# Altium PCB Ixora.PcbDoc (part 5 of 13) (continued)
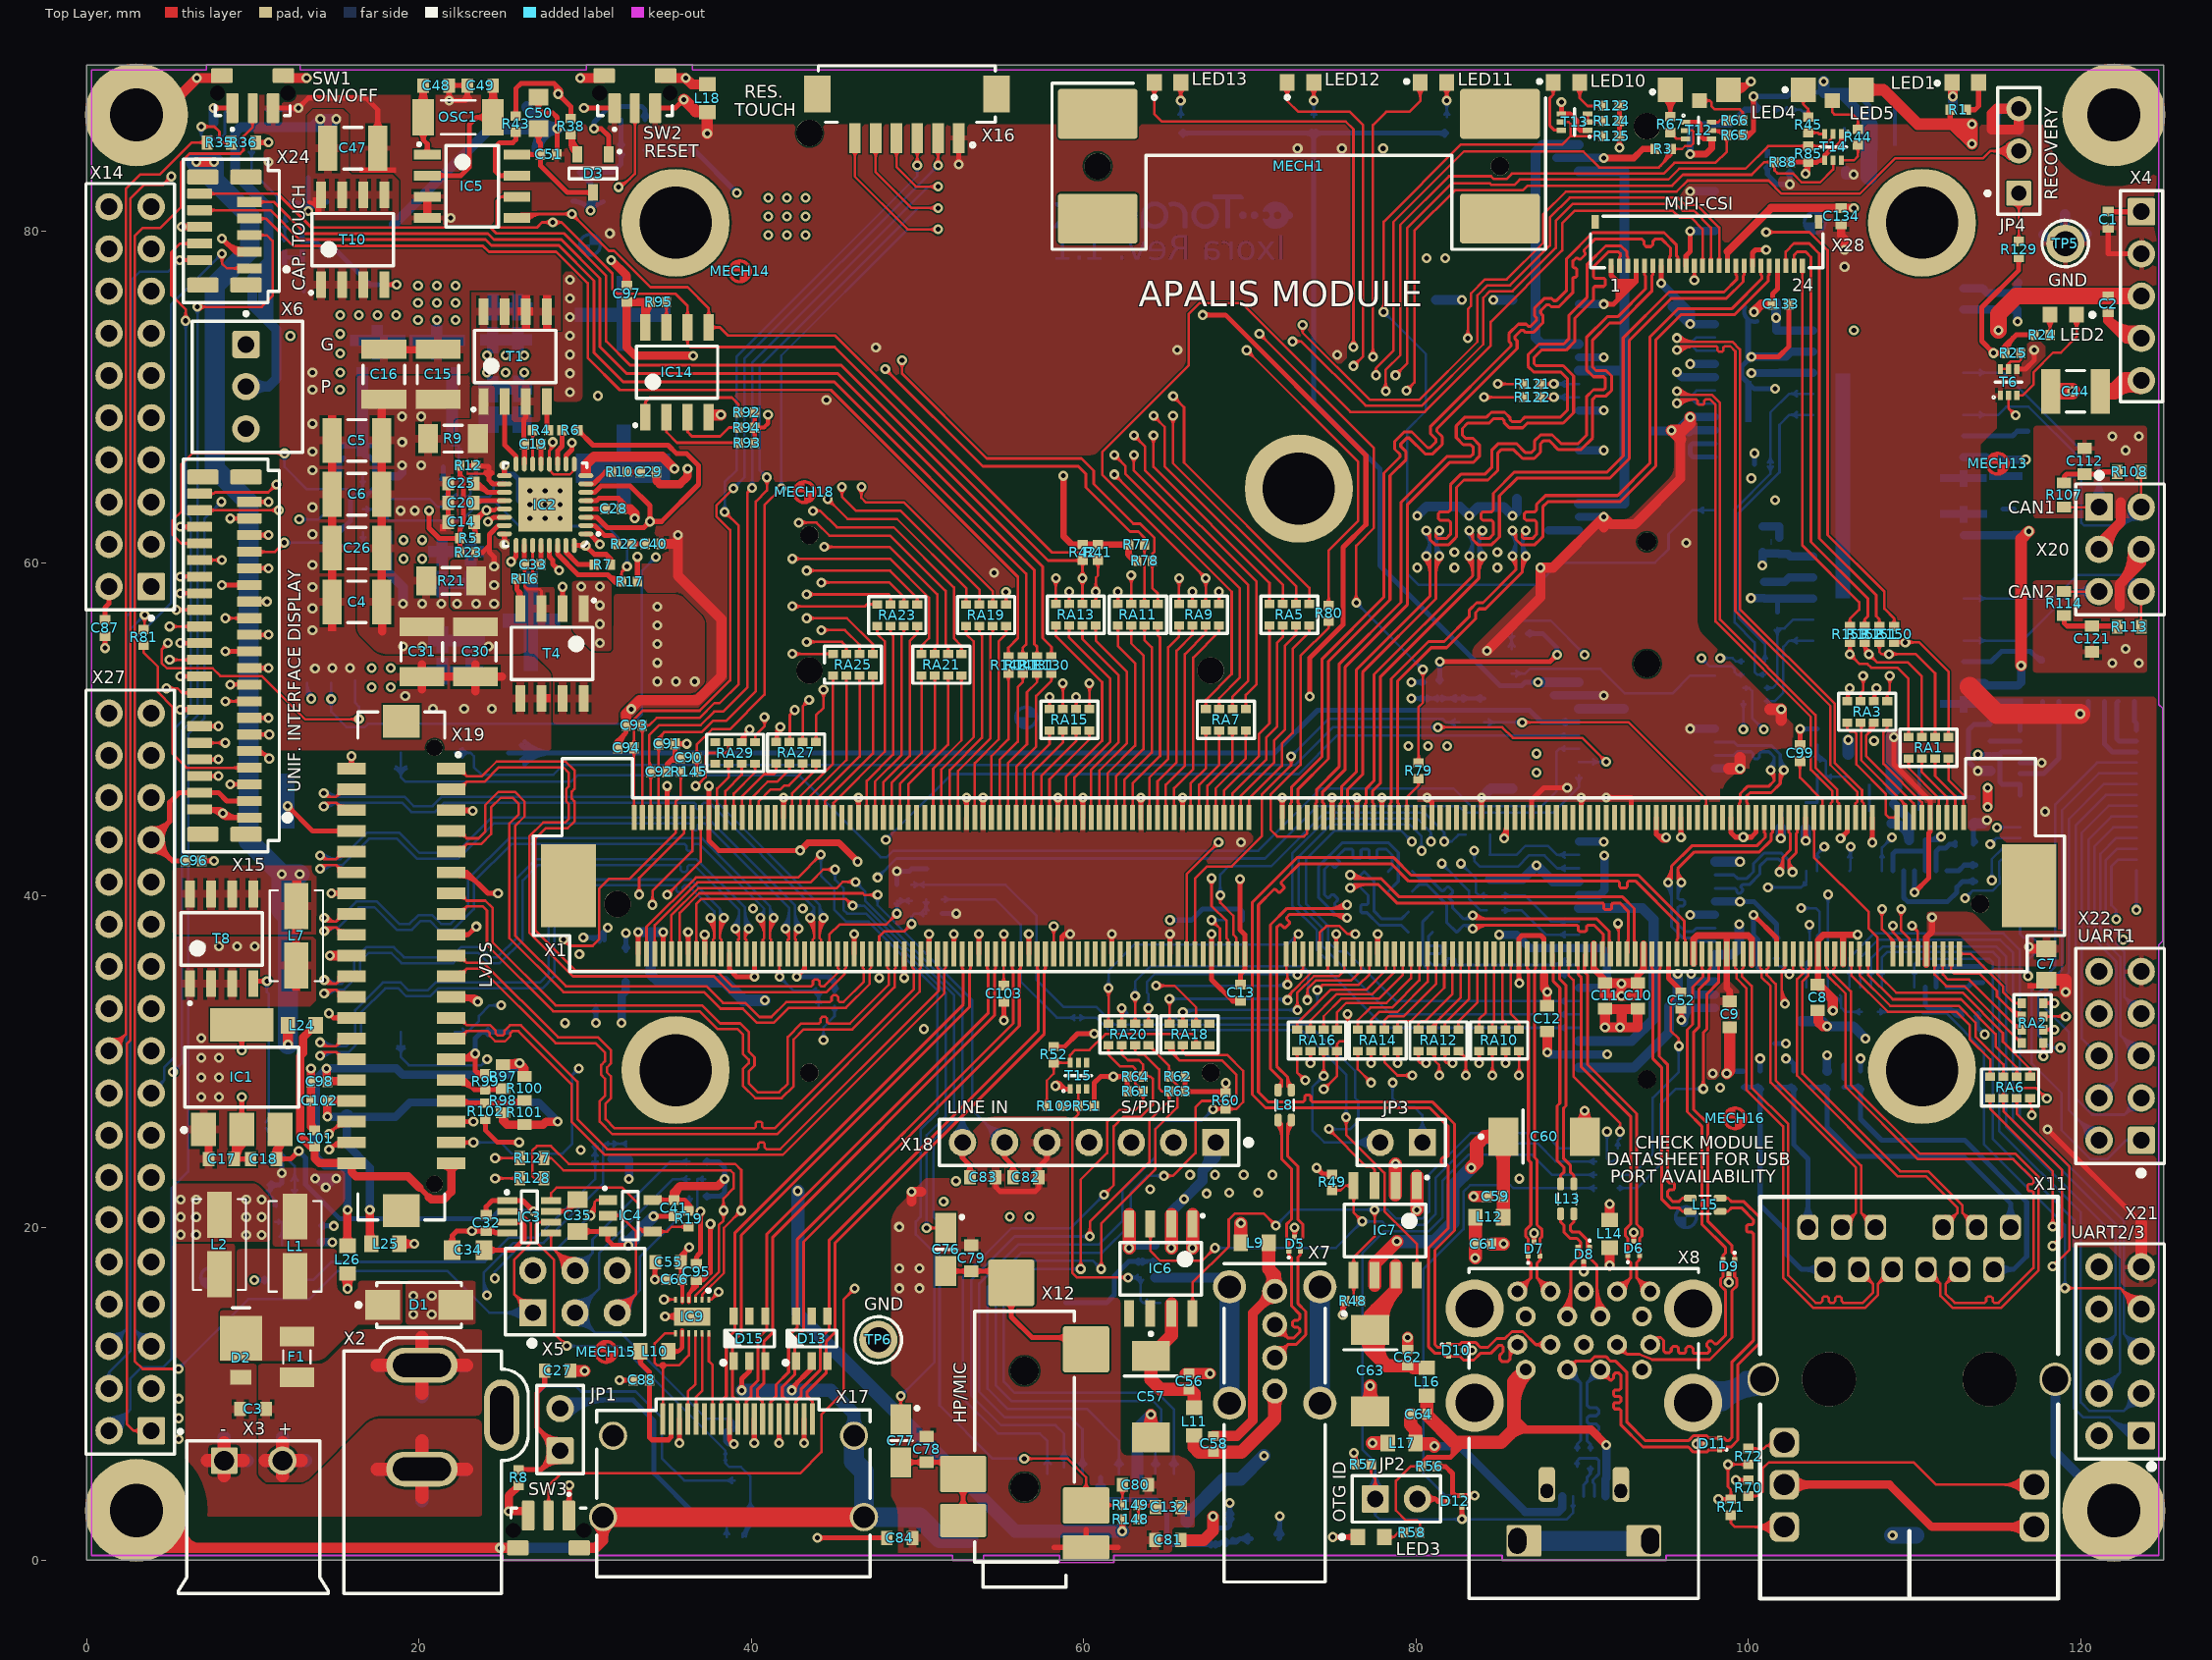
[diagram p0: Top Layer view]
## Nets (pads, with @x,y where several pads share a name; then routed paths per layer and width w, separated by ;. In a path a pad name is that pad's centre, name@x,y a point inside that pad or via, vN(x,y) a via of type N, cw(c..) or ccw(c..) an arc to the next point about the centre after c; other vN are vias at no path point) (continued)
cw(c99.938,87.738) 100.3,87.738 cw(c100.662,87.738) v1@100.406,87.994 ; X28.18@100.25,77.905 100.25,78.685 100.432,78.867 v1(101.067,78.867) ; v1(100.3,88.1) 100.3,86.013 ; v1@101.844,43.556 ccw(c101.588,43.812) 101.95,43.812 ccw(c102.312,43.812) v1@102.056,43.556 ; v1(101.95,43.45) X1.45@101.95,44.7 ; R88.2@102.537,84.15 R85.2@103.6,84.15 ; R88.2@102.633,84.055 cw(c102.863,83.824) 102.863,84.15 cw(c102.863,84.476) R88.2@102.633,84.245 ; v1@103.005,49.924 cw(c102.749,49.668) 103.111,49.668 cw(c103.473,49.668) v1@103.217,49.924 ; C99.1@103.012,49.166 ccw(c102.773,49.405) 103.111,49.405 ccw(c103.449,49.405) C99.1@103.21,49.166 ; C99.1@103.111,49.067 v1(103.111,50.03) ; v1@103.347,83.559 ccw(c102.783,84.15) R85.2@103.6,84.15 ; v1@103.349,43.406 ccw(c103.104,43.65) 103.45,43.65 ; 103.45,43.674 ccw(c103.829,43.674) v1@103.561,43.406 ; X1.39@103.45,44.7 103.45,43.305 v1(103.455,43.3) ; v1(103.45,83.45) 103.6,83.6 R85.2@103.6,84.15 ; R85.2@103.48,84.055 ccw(c103.249,83.824) 103.249,84.15 ccw(c103.249,84.476) R85.2@103.48,84.245 ; R85.2@103.505,84.055 cw(c103.274,83.824) 103.6,83.824 cw(c103.926,83.824) R85.2@103.695,84.055 ; R85.2@103.72,84.245 ccw(c103.999,84.524) 103.999,84.13 ; v1(105.55,43.45) 105.95,43.85 X1.29@105.95,44.7 ; v1@105.55,43.6 ccw(c105.55,43.962) 105.806,43.706 ccw(c106.062,43.45) v1@105.7,43.45 ; T14.1@105.6,85.84 105.6,85.35 105.25,85 105.051,85 104.6,84.549 T14.4@104.6,84.26 104.23,84.26 104.1,84.13 103.62,84.13 R85.2@103.6,84.15 ; v1@107.344,43.306 ccw(c107.088,43.562) 107.45,43.562 ccw(c107.812,43.562) v1@107.556,43.306 ; v1(107.45,43.2) X1.23@107.45,44.7 ; v1(108.762,49.528) 108.762,47.905 110.95,45.717 X1.9@110.95,44.7 110.95,43.861 110.866,43.778 110.866,41.073 v1(109.993,40.2) ; v1@109.993,40.35 ccw(c109.993,40.712) 110.249,40.456 ccw(c110.505,40.2) v1@110.143,40.2 ; T6.4@116.158,71.695 116.678,71.695 117.196,72.212 v1(117.196,72.838) ; v1@117.09,72.731 cw(c116.834,72.475) 117.196,72.475 cw(c117.558,72.475) v1@117.302,72.731 ; v1(118.008,25.933) 123.64,20.302 ; C1.1@121.551,80.086 cw(c121.312,79.847) 121.65,79.847 cw(c121.988,79.847) C1.1@121.749,80.086 ; C1.1@121.65,80.18 121.65,78.62 X4.2@123.65,78.62 ; 7.95,45.2 8.45,44.7 ; 22.012,19.548 22.274,19.81 v1(23.2,19.81) C32.1@24.05,19.81 24.48,19.81 ; v1@23.295,30.391 cw(c23.065,30.15) 23.398,30.15 ; v1@23.295,30.391 cw(c23.065,30.15) 23.398,30.15 ; v1@23.295,30.391 cw(c23.065,30.15) 23.398,30.15 ; 23.398,29.452 23.398,30.15 ; 23.398,30.15 cw(c23.731,30.15) v1@23.501,30.391 ; 23.398,30.15 cw(c23.731,30.15) v1@23.501,30.391 ; 23.398,30.15 cw(c23.731,30.15) v1@23.501,30.391 ; 24.48,19.81 24.6,19.69 ; 36.7,18.178 cw(c36.362,18.178) 36.601,17.939 ccw(c36.362,18.178) 36.7,18.178 ; 36.7,18.178 ccw(c37.038,18.178) 36.799,17.939 cw(c37.038,18.178) 36.7,18.178 ; 58.7,37.542 58.858,37.7 ; 92.151,76.505 92.151,76.962 93.25,76.962 ; v2(21.816,87.846) 22.796,87.846 22.916,87.966 C49.2@22.916,88.76 C48.2@21.816,88.76 v2(21.816,87.846)
  Top Layer w0.4: v1(91.3,84.4) 93.112,84.4 93.65,84.938 R3.2@94.389,84.938 ; v1(96.5,84.633) 97.434,84.633 97.793,84.991 T12.4@97.793,85.504
  Top Layer w0.5: C17.1@8.825,24.296 ccw(c8.413,24.708) 8.996,24.708 ; C17.1@8.996,24.11 cw(c10.36,24.11) IC1.2@9.618,25.255 ; C17.1@8.996,24.15 IC1.2@8.996,25.6 ; 13.51,26.416 ccw(c14.225,26.416) C101.1@13.719,25.911 ; v1(13.51,29.6) C98.1@13.51,28.8 C102.1@13.51,27.65 13.51,26.104 C101.1@13.731,25.883 ; 17.78,55.905 C4.1@17.775,57.68 C26.1@17.775,60.92 C6.1@17.775,64.16 C5.1@17.775,67.4 17.775,69.749 C16.1@17.9,69.874 ; IC5.4@20.508,80.797 IC5.3@20.508,82.067 ; R8.1@26.01,4.498 25.4,3.889 v1(25.4,2.957) SW3.3@26.578,2.957 ; v1(31.572,78.257) 32.512,77.318 C97.1@32.512,76.723 ; C97.1@32.46,76.723 C97.1@32.46,76.862 ; C29.1@34.29,65.5 34.29,64.973 34.488,64.775 35.717,64.775 36.17,65.227 v1(36.17,65.684) ; C134.1@105.588,80.402 105.588,79.731 105.791,79.527 v1(105.791,78.867)
  Top Layer w0.6: v1(14.65,36.4) X19.20@15.95,36.4 ; C28.1@32.195,63.275 32.712,63.275 32.995,62.992 v1(32.995,62.713) ; C93.1@32.47,50.25 32.47,50.954 33.281,51.765 36.747,51.765 38.202,53.22 38.202,56.642 35.581,59.262 v1(35.581,61.7) ; C40.1@34.62,61.167 35.578,61.167 ; v1(84.277,54.737) 87.494,57.954 v1(87.494,59.741) 88.241,59.741 v1(91.3,62.8) ; v1(87.898,30.582) C12.2@87.898,31.805 ; C60.2@89.762,26.207 ccw(c89.049,27.047) v1(90.15,27.047) ; C60.2@90.15,25.5 v1(90.15,27.047) ; C60.2@90.538,26.207 cw(c91.251,27.047) v1(90.15,27.047) ; 91.3,62.14 v1(91.3,62.8) ; C11.2@91.375,33.201 v1(91.375,32.084) v1(92.278,32.084) v1@92.38,32.084 ; C11.2@91.502,33.176 C10.2@93.344,33.176 ; L14.1@91.65,20.49 v1(91.65,21.444) ; 92.38,33.172 v1@92.38,32.084 ; C10.2@93.344,32.922 93.344,32.084 v1@92.38,32.084 ; 95.91,67.471 95.91,65.1 93.167,62.357 91.743,62.357 v1(91.3,62.8) ; C8.2@104.2,33.1 104.2,32.427 104.489,32.138 v1(104.736,32.138) ; LED1.1@112.255,88.95 112.304,88.901 v1(112.304,88.1) ; C2.2@121.65,75.09 121.65,74.625 ; 122.44,73.835 ccw(c123.396,74.791) X4.4@123.665,73.467 ; X4.4@123.197,73.275 ccw(c122.735,73.005) 122.735,73.54 ; X4.4@123.197,73.805 cw(c122.735,74.075) 122.735,73.54 ; X4.4@123.545,74.054 cw(c123.129,76.103) 121.65,74.625 ; X4.4@123.65,73.54 122.735,73.54 ; 121.65,74.625 122.735,73.54 ; 114.65,86.106 116.271,86.106 JP4.3@116.271,87.357 114.941,87.357 114.65,87.066 114.65,86.106
  Top Layer w0.67: IC14.4@37.49,68.936 v1(38.176,68.936)
  Top Layer w0.7: C27.1@29.121,11.405 v1(29.977,11.405) ; v1(35.946,87.912) 36.658,87.2 L18.1@37.3,87.2 ; v1(37.35,85.865) L18.1@37.35,87.15 ; C57.2@63.661,7.789 ccw(c62.722,8.728) 64.05,8.728 ccw(c65.378,8.728) C57.2@64.439,7.789 ; C57.2@64.05,7.4 v1(64.05,8.763) ; C81.1@65.85,1.219 67.234,1.219 67.793,1.778 v1(67.793,2.642) ; C56.1@66.142,11.24 v1(67.6,11.24) ; C62.1@79.5,12.58 C62.1@79.5,12.69 v1(79.5,13.4) ; v1(83.479,21.9) C59.1@84.27,21.9 C59.1@84.335,21.9 ; 95.91,67.471 v1(95.382,68) 96.042,68 96.5,68.458 v1(96.5,68.8) ; v1(98.7,29.3) 98.878,29.478 C9.2@98.878,32.08 ; 98.84,47.65 v1(99.5,47.65) 99.5,48.31 ; 101.32,51.224 v1(101.98,51.224) 101.98,50.564 ; C7.2@118.171,34.95 119.101,34.95 v1(119.101,34.214) ; X21.9@123.64,17.66 123.64,20.302
  Top Layer w0.8: v1(62.745,18.8) IC6.4@62.745,20.25 IC6.4@62.745,20.8 ; v1(66.555,18.8) IC6.1@66.555,20.25 IC6.1@66.555,20.8 ; L9.1@69.46,19.1 v1(69.46,20.291) ; C63.2@76.896,9.328 ccw(c76.043,10.181) 77.25,10.181 ccw(c78.457,10.181) C63.2@77.604,9.328 ; C63.2@77.25,8.974 v1(77.25,10.5) ; v1(77.38,7.058) L17.1@78.283,7.058 ; v1(80.055,21.1) IC7.1@80.055,22.55 IC7.1@80.055,23.1
  Top Layer w1: C44.1@118.183,70.35 v1(119.495,70.35)
  Top Layer w1.2: 113.322,52.565 114.949,50.938 v1(119.969,50.938)
  Mid-Layer 2 w0.7: v1(91.375,32.084) v1(92.278,32.084)
  Mid-Layer 1 w0.5: v1@104.736,32.098 v1@104.775,32.138
  Mid-Layer 1 w0.6: v1(102.25,30.2) v1(102.25,31.1)
  Mid-Layer 1 w0.7: v1(91.375,32.084) v1(92.278,32.084)
  Bottom Layer w0.15: 36.75,21.302 ccw(c37.252,21.302) v1@36.897,20.947 ; 36.75,22.948 36.75,21.2 v1(36.95,21) ; R13.1@37.075,22.807 ccw(c36.754,22.514) 36.754,22.948 ; R13.1@37.075,23.09 cw(c36.754,23.383) 36.754,22.948 ; R13.1@37.23,22.948 36.754,22.948
  Bottom Layer w0.254: 99.797,75.438 ccw(c100.381,75.184) 100.542,74.568
  Bottom Layer w0.3: v1(10.1,16.87) T9.2@10.825,16.87 ; v1@10.206,16.764 cw(c10.462,16.508) 10.462,16.87 ; v1@10.206,16.976 ccw(c10.462,17.232) 10.462,16.87 ; T9.2@10.719,16.764 ccw(c10.463,16.508) 10.463,16.87 ; T9.2@10.719,16.976 cw(c10.463,17.232) 10.463,16.87 ; T11.2@10.881,87.308 12.658,87.308 v1(12.749,87.4) ; T11.2@10.987,87.202 cw(c11.244,86.946) 11.244,87.308 cw(c11.244,87.671) T11.2@10.987,87.414 ; 12.166,87.308 ccw(c12.166,87.983) v1@12.643,87.506 ; C65.1@14.1,20.14 14.875,20.14 v1(14.89,20.126) ; C65.1@14.239,20.041 cw(c14.478,19.802) 14.478,20.14 cw(c14.478,20.478) C65.1@14.239,20.239 ; 14.493,20.14 cw(c14.493,19.729) v1@14.783,20.02 ; 14.562,20.14 ccw(c14.562,20.454) v1@14.783,20.232 ; v1(23.398,30.5) 23.398,31.424 23.774,31.8 X26.5@25.4,31.8 ; X26.5@24.165,31.631 ccw(c23.963,31.595) 23.963,31.8 ccw(c23.963,32.005) X26.5@24.165,31.969 ; v1@25.044,65.787 cw(c24.841,65.584) 25.128,65.584 ; T7.1@25.128,65.478 cw(c25.565,65.478) v1@25.256,65.787 ; T7.1@25.15,65.401 v1(25.15,65.893) 25.174,65.869 v1@25.174,65.925 ; T7.1@25.25,65.372 25.687,65.372 25.984,65.075 25.984,63.805 26.224,63.565 26.66,63.565 v2(26.682,63.543) ; 26.267,63.565 cw(c26.267,63.128) v2@26.576,63.437 ; 26.373,63.565 ccw(c26.373,63.852) v2@26.576,63.649 ; v1(29.9,37.49) L21.2@30.78,37.49 ; v1@30.006,37.384 cw(c30.262,37.128) 30.262,37.49 ; v1@30.006,37.596 ccw(c30.262,37.852) 30.262,37.49 ; L21.2@30.518,37.384 ccw(c30.262,37.128) 30.262,37.49 ; v1@30.544,32.456 ccw(c30.288,32.712) 30.65,32.712 ccw(c31.012,32.712) v1@30.756,32.456 ; C86.1@30.544,33.073 cw(c30.288,32.817) 30.65,32.817 cw(c31.012,32.817) C86.1@30.756,33.073 ; v1(30.65,32.35) C86.1@30.65,33.35 ; L21.2@30.874,37.258 cw(c31.329,37.375) 30.997,37.707 ; L21.2@30.9,37.49 L21.2@30.78,37.49 ; L21.2@31.165,37.332 cw(c31.921,37.527) v1(31.369,38.079) L21.2@30.78,37.49 ; T3.1@38.45,7.793 38.45,7.178 38.625,7.003 v1@38.95,7.003 ; v1(42.743,35.122) 44.608,35.122 45.023,34.707 ; 44.761,35.122 45.023,34.86 45.023,34.707 ; C89.1@44.924,34.406 ccw(c44.685,34.645) 45.023,34.645 ccw(c45.361,34.645) C89.1@45.122,34.406 ; C89.1@45.023,34.267 45.023,34.707 ; v1@48.664,41.363 cw(c48.408,41.107) 48.77,41.107 cw(c49.132,41.107) 48.876,41.363 cw(c49.132,41.107) 49.132,41.469 cw(c49.132,41.831) v1@48.876,41.575 ; C53.1@48.77,40.665 v1(48.77,41.469) 49.519,41.469 49.665,41.615 R2.1@50.55,41.615 ; C54.1@51.49,38.92 v1(52.329,38.92) ; v1@52.223,38.814 ccw(c51.967,38.558) 51.967,38.92 ccw(c51.967,39.282) v1@52.223,39.026 ; C67.1@67.8,1.942 C67.1@67.798,1.94 68.64,1.94 68.798,2.098 C68.1@68.798,2.637 68.798,3.448 v1(68.8,3.45) ; C68.1@68.657,2.496 cw(c68.315,2.154) 68.798,2.154 cw(c69.281,2.154) C68.1@68.939,2.496 ; C68.1@68.657,2.778 ccw(c68.315,3.12) 68.798,3.12 ccw(c69.281,3.12) C68.1@68.939,2.778 ; v1@68.694,3.344 cw(c68.443,3.093) 68.798,3.093 ; 68.798,3.083 cw(c69.167,3.083) v1@68.906,3.344 ; v1(79.714,52.845) C100.1@80.514,52.845 ; v1@79.82,52.739 cw(c80.077,52.483) 80.077,52.845 cw(c80.077,53.207) v1@79.82,52.951 ; C100.1@80.375,52.746 ccw(c80.136,52.507) 80.136,52.845 ccw(c80.136,53.183) C100.1@80.375,52.944 ; v1(82.757,75.85) v1@82.783,75.85 ; v1(99.5,39.65) 100.329,39.65 101.691,38.288 C69.1@101.691,37.365 ; v1@99.606,39.544 cw(c99.862,39.288) 99.862,39.65 cw(c99.862,40.012) v1@99.606,39.756 ; v1(100.18,72.435) 99.605,71.86 99.605,71.252 100.357,70.5 v1(101.6,70.5) ; v1@100.406,87.994 cw(c100.662,87.738) 100.662,88.1 cw(c100.662,88.462) v1@100.406,88.206 ; R133.1@100.536,87.301 100.3,87.537 v1(100.3,88.1) ; R133.1@100.62,87.432 cw(c101.157,88.1) v1(100.3,88.1) ; C71.1@100.707,29.45 v1(100.707,30.2) ; C138.1@101.051,83.811 cw(c100.812,83.572) 101.15,83.572 cw(c101.488,83.572) C138.1@101.249,83.811 ; C138.1@101.15,83.9 101.15,83.406 101.743,82.813 v1(102.5,82.813) C140.1@102.5,83.625 ; C73.1@101.573,31.1 v1(102.25,31.1) ; C69.1@101.592,37.464 ccw(c101.353,37.703) 101.691,37.703 ccw(c102.029,37.703) C69.1@101.79,37.464 ; v1@102.272,30.052 cw(c102.35,29.532) 102.721,29.903 ; v1@102.278,30.211 102.414,30.211 102.721,29.903 ; C140.1@102.359,83.484 cw(c102.017,83.142) 102.5,83.142 cw(c102.983,83.142) C140.1@102.641,83.484 ; v1@102.394,82.919 ccw(c102.138,83.175) 102.5,83.175 ccw(c102.862,83.175) v1@102.606,82.919 ; C70.1@102.721,29.44 102.721,29.903 ; v1@103.217,49.924 cw(c103.473,49.668) 103.473,50.03 cw(c103.473,50.392) v1@103.217,50.136 ; v1@103.289,50.03 R144.1@104.15,50.03 ; IC16.8@104.525,88.305 104.48,88.35 102.599,88.35 102.349,88.1 v1(100.3,88.1) ; IC16.9@106.487,88.305 107.275,87.517 107.275,86.567 IC16.9@107.275,86.4 ; v1@106.644,30.094 cw(c106.388,29.838) 106.75,29.838 cw(c107.112,29.838) v1@106.856,30.094 ; C74.1@106.75,29.45 v1(106.75,30.2) ; IC17.9@108.762,45.521 IC17.9@108.762,46.535 ; v1@109.887,40.306 ccw(c109.631,40.562) 109.993,40.562 ccw(c110.355,40.562) v1@110.099,40.306 ; v1(109.993,40.2) IC12.25@109.993,41.5 ; C144.1@113.409,44.209 cw(c113.067,43.867) 113.55,43.867 cw(c114.033,43.867) C144.1@113.691,44.209 ; C124.1@113.55,43.1 C144.1@113.55,44.35 ; 113.55,43.565 ccw(c114.011,43.565) C124.1@113.685,43.239 ; C123.2@113.691,32.761 cw(c113.452,32.522) 113.79,32.522 cw(c114.128,32.522) C123.2@113.889,32.761 ; C123.2@113.79,32.9 113.79,32.082 v1(114.224,31.648) ; v1(113.8,47.51) 113.25,48.06 113.25,49.979 113.586,50.315 C129.1@114.545,50.315 C129.1@114.44,50.42 ; v1@114.074,31.648 ccw(c113.712,31.648) 113.968,31.904 ccw(c114.224,32.161) v1@114.224,31.798 ; IC13.25@116.35,48.004 v1(117.65,48.004) ; v1@117.544,47.898 ccw(c117.288,47.642) 117.288,48.004 ccw(c117.288,48.366) v1@117.544,48.11 ; v1(119.969,50.938) 120.305,50.938 120.46,51.093 C128.2@120.46,51.7 ; 23.398,30.862 ccw(c23.76,30.862) 23.504,30.606 cw(c23.76,30.862) 23.398,30.862 ; 23.398,30.862 cw(c23.036,30.862) 23.292,30.606 ccw(c23.036,30.862) 23.398,30.862 ; 68.176,1.94 ccw(c68.176,1.602) 67.937,1.841 cw(c68.176,1.602) 68.176,1.94 ; 68.176,1.94 cw(c68.176,2.278) 67.937,2.039 ccw(c68.176,2.278) 68.176,1.94
  Bottom Layer w0.4: v1(96.5,84.633) 96.5,86.253 96.658,86.411 98.908,86.411 99.798,87.301 R133.1@100.536,87.301
  Bottom Layer w0.5: R87.1@18.075,65.227 18.771,65.227 18.999,65.455 v1(18.999,65.893) ; C22.1@24.454,73.47 C23.1@25.976,73.47 ; C21.1@24.46,70.515 C24.1@25.982,70.515 ; C45.1@31.581,24.149 32.61,24.149 R147.1@32.644,24.115 v1@32.644,22.975 ; v1(62.745,18.8) 62.885,18.94 R110.1@64.304,18.94 ; v1@62.78,18.765 cw(c63.204,18.341) 63.204,18.94 ; v1(85,37.65) 86.05,37.65 86.85,36.85 91.141,36.85 91.491,36.5 91.491,34.798 91.143,34.45 X25.40@89.8,34.45 ; v1(87.898,30.582) 88.03,30.45 X25.50@89.8,30.45 v1@91.476,30.45 ; v1@87.934,30.617 ccw(c88.337,31.02) 88.337,30.45 ; 88.3,52.05 X25.4@89.8,52.05 ; 88.443,84.4 v1(91.3,84.4) ; X25.26@89.8,40.05 91.062,40.05 91.336,40.324 v1(91.336,42.412) ; X25.18@89.8,43.25 v1(91.3,43.25) ; X25.4@89.8,52.05 v1(91.3,52.05) ; X23.50@89.8,62.8 v1(91.3,62.8) ; X23.40@89.8,66.8 v1(91.3,66.8) ; X23.34@89.8,69.2 v1(91.3,69.2) ; X23.26@89.8,72.4 v1(91.3,72.4) ; X23.18@89.8,75.6 v1(91.3,75.6) ; v1(94.75,76.868) 96.5,75.118 ; v1(95.382,68) 95.7,68 ; v1(95.7,71.505) 96.005,71.2 X23.29@98,71.2 ; v1@96.073,32.35 96.073,32.826 96.497,33.25 X25.43@98,33.25 ; v1@96.123,32.35 cw(c97.392,32.35) 96.495,33.248 ; v1(96.5,38.85) X25.29@98,38.85 ; v1(96.5,50.05) X25.9@98,50.05 ; v1(96.5,72) X23.27@98,72 ; v1(96.5,74.4) X23.21@98,74.4 ; v1(96.5,80) X23.15@98,80 ; v1@96.5,82.4 X23.9@98,82.4 ; X25.27@98,39.65 v1(99.5,39.65) ; X25.15@98,47.65 v1(99.5,47.65) ; X23.37@98,68 96.418,68 95.7,68 ; X23.35@98,68.8 v1(96.5,68.8) 95.7,68 ; v1(100.18,72.435) C109.1@100.971,72.435 C108.1@101.875,72.435 102.263,72.435 102.578,72.75 IC10.7@103.895,72.75 ; C113.1@100.85,62.225 101.85,62.225 C114.1@101.85,61.565 C114.1@101.85,61.54 ; C118.1@100.95,58.89 C117.1@101.75,58.89 102.19,58.89 102.46,59.16 IC11.7@103.9,59.16 ; C75.1@104.736,29.44 v1(104.736,30.404)
  Bottom Layer w0.6: R37.2@7.65,86.535 v1(7.65,87.399) ; R84.2@18.101,61.874 18.101,59.522 19.052,58.57 v1(19.052,57.575) ; BAT1.2@18.491,80.391 BAT1.2@21.5,83.4 BAT1.2@24.257,86.157 ; v1(80.072,62.865) 80.631,63.424 82.645,63.424 v1(83.204,62.865) 83.737,63.398 85.275,63.398 v1(85.809,62.865) 86.081,63.137 86.081,63.881 ; C141.1@81.197,75.85 v1(82.757,75.85) ; v1(83.95,45.9) 84.5,46.45 C147.1@85.8,46.45 ; v1(84.646,75.85) C142.1@85.8,75.85 ; 95.439,75.461 v1(96.5,74.4) 96.5,75.118 ; 96.5,68.082 v1(96.5,68.8) ; X25.37@98,35.65 X25.35@98,36.45 99.045,36.45 99.45,36.855 v1@99.45,38.2 ; X25.21@98,42.05 v1(99.5,42.05) ; v1(101.95,43.45) C143.1@101.95,44.11 ; C72.2@103.176,32.45 104.423,32.45 v1(104.736,32.138) 106.312,32.138 v1(107.05,31.4) ; v1(103.455,43.3) C145.1@103.455,44.056 ; IC16.8@104.525,88.305 IC16.8@105.537,88.305 ; 105.875,83.625 105.875,83.402 ; v1(106.331,83.402) 105.875,83.402 ; IC16.9@106.487,88.305 IC16.8@105.537,88.305 ; IC16.9@107.293,86.4 107.293,86.549 107.275,86.567 IC16.8@105.537,88.305 ; IC17.9@108.61,44.348 cw(c108.644,43.316) C122.1@109.677,43.35 109.677,44.607 IC17.9@108.762,45.521 ; C139.1@112.304,87.315 v1(112.304,88.1) ; C144.1@113.55,44.35 114.155,44.35 v1(114.355,44.55) ; C144.1@113.643,44.397 ccw(c113.88,45.025) v1(114.355,44.55) ; v1(113.8,47.51) C127.1@114.57,47.51 ; C144.1@113.872,44.35 ccw(c113.872,45.033) v1(114.355,44.55) ; 114.859,86.106 114.859,87.071 115.145,87.357 JP4.3@116.271,87.357 116.271,86.058 ; 117.754,79.781 118.288,79.248 TP5.1@119.05,79.248 ; 119.05,81.026 TP5.1@119.05,79.248 ; 120.371,79.832 119.786,79.248 TP5.1@119.075,79.248 TP5.1@119.05,79.248 ; 105.875,83.402 105.875,83.38 105.854,83.402 105.875,83.402
  Bottom Layer w0.7: BAT1.2@24.257,86.157 v1(28.321,86.157) ; BAT1.2@26.507,87.466 ccw(c28.765,88.684) v1(28.321,86.157) ; BAT1.2@27.123,84.81 cw(c28.435,84.849) v1(28.321,86.157) ; 32.341,19.209 v1(32.6,18.949) 32.994,19.343 32.994,19.559 ; v1@32.6,19.165 32.994,19.559 ; v1(34.125,20.7) 34.125,20.69 32.994,19.559 ; X10.6@63.23,5 63.23,7.943 v1(64.05,8.763) ; 96.418,68 96.5,68.082 ; IC16.8@104.525,88.4 v1(104.525,89) ; IC17.8@106.012,48.525 v1(106.012,49.375)
  Bottom Layer w1: 107.264,83.261 IC16.9@107.293,86.4 ; v1(108.682,1.5) L3.1@110.1,1.5 ; IC17.9@108.762,46.535 v1(108.762,49.528)
  other v1: 9.61,19.59 10.55,19.59 5.66,19.6 6.6,19.6 5.66,20.66 6.6,20.66 9.61,20.66 10.55,20.66 5.66,21.72 6.6,21.72 9.61,21.72 10.55,21.72 32.644,22.95 29.743,24.689 98.3,28.45 91.502,30.45 28.804,32.334 99.45,38.276 40.104,39.218 43.104,39.218 69.469,43.205 8.2,44.95 117.856,45.06 79.553,49 32.791,51.232 19.052,55 20.204,55 24.2,55 20.204,57.575 21.355,57.575 54.61,59.436 80.072,59.741 82.309,59.741 84.901,59.741 82.309,60.681 84.901,60.681 96.266,61.239 18.9,63.172 19.756,63.172 101.6,63.8 100.178,65.116 20.15,65.893 19,67.3 18.999,68.842 20.15,68.842 44.526,69.825 30.785,70.079 24.095,71.475 25.223,71.475 26.351,71.475 24.095,72.525 25.223,72.525 26.351,72.525 75.268,72.542 65.642,72.847 47.506,73 12.268,73.685 105.791,77.851 31.496,79.858 96.5,82.375 10.958,84.15 72.881,84.97 75.54,84.97 78.021,84.97
  other v2: 26.682,62.714 27.6,62.714 28.51,62.714 27.596,63.543 28.51,63.543 26.682,64.372 27.6,64.372 28.51,64.372 21.92,80.797
GND_IN: C3.1 D1.2 D2.2 L2.1 X2.2 X3.1 | length 39.7
  Top Layer w0.8: 7.27,6 X3.1@8.288,6 ; 8.288,5.105 X3.1@8.288,6 ; 8.288,7.087 X3.1@8.288,6 ; 9.429,6 X3.1@8.288,6 ; 17.51,5.49 X2.2@20.185,5.49 ; 20.185,3.8 X2.2@20.185,5.49 ; 20.185,7.18 X2.2@20.185,5.49 ; 22.86,5.49 X2.2@20.185,5.49
  Mid-Layer 1 w0.8: 7.264,6 X3.1@8.288,6 ; 8.288,4.773 X3.1@8.288,6 ; 8.288,7.319 X3.1@8.288,6 ; 9.652,6.045 9.607,6 X3.1@8.288,6 ; 17.485,5.49 X2.2@20.185,5.49 ; 20.185,3.732 X2.2@20.185,5.49 ; 20.185,6.704 X2.2@20.185,5.49 ; 22.885,5.49 X2.2@20.185,5.49
  Bottom Layer w0.8: 7.264,6 X3.1@8.288,6 ; 8.288,5.105 X3.1@8.288,6 ; 8.288,7.389 X3.1@8.288,6 ; 9.677,6 X3.1@8.288,6 ; 17.522,5.49 X2.2@20.185,5.49 ; 20.185,3.589 X2.2@20.185,5.49 ; 20.185,7.104 X2.2@20.185,5.49 ; 22.856,5.49 X2.2@20.185,5.49
  other v1: 19.66,14.808 20.777,14.808 19.66,15.926 20.777,15.926
GND_USBH2: C58.1 L9.2 X7.4 | length 18.4
  Top Layer w0.6: C58.1@67.793,7.49 C58.1@67.821,7.49 69.237,7.49 70.18,8.433 70.18,14.87 X7.4@71.5,16.19 ; X7.4@71.05,16.19 cw(c69.964,16.19) 70.732,15.422 cw(c71.5,14.654) X7.4@71.5,15.74
  Top Layer w0.8: L9.2@71.14,19.1 71.14,17.535 ; X7.4@71.22,16.4 ccw(c70.527,16.921) 71.14,17.535 ; X7.4@71.252,16.437 ccw(c70.655,17.035) 71.5,17.035 ccw(c72.345,17.035) X7.4@71.747,16.437 ; X7.4@71.5,16.19 71.5,17.175 71.14,17.535
GND_USBH4: C61.1 L14.2 X8.U4 X8.U7 | length 14.4
  Top Layer w0.6: v1(91.65,17.74) L14.2@91.65,18.746
  Top Layer w0.8: C61.1@84.55,19.05 v1(85.27,19.05)
  Mid-Layer 1 w0.6: X8.U7@90.1,16.18 X8.U7@90.1,16.19 ; 93.1,17.263 93.1,15.18 X8.U4@93.6,14.68
  Mid-Layer 1 w0.8: v1(85.27,19.05) 85.97,18.35 87.93,18.35 X8.U7@90.1,16.18 ; X8.U7@90.1,16.19 v1(91.65,17.74) 92.623,17.74 93.1,17.263
GND_USBO1: C64.1 L17.2 X8.L4 X8.L7 X9.5 | length 36.1
  Top Layer w0.8: C64.1@79.67,8.8 79.67,8.154 79.979,7.845 L17.2@79.979,7.058 ; L17.2@80.03,7.021 80.959,7.021 v1(81.1,6.88)
  Mid-Layer 1 w0.3: 87.782,8.992 ccw(c87.935,11.201) 90.1,10.734
  Mid-Layer 1 w0.5: X8.L7@89.853,12.733 cw(c89.255,12.135) 90.1,12.135 cw(c90.945,12.135) X8.L7@90.347,12.733 ; 90.1,9.836 90.1,10.734 X8.L7@90.1,12.98 ; 90.119,10.49 90.773,9.836
  Mid-Layer 1 w0.8: v1(81.1,6.88) 85.493,6.88 87.376,8.763 89.027,8.763 90.1,9.836 90.773,9.836 91.956,9.836 X8.L4@93.6,11.48
  Bottom Layer w0.5: v1(81.1,6.88) 82.611,6.88 86.569,2.922 88.575,2.922 88.8,3.147 X9.5@88.8,3.85
GPIO1: R150.2 RA1.8 X27.13 | length 159.1
  Top Layer w0.15: R150.2@108.776,55.245 v1(109.449,55.245) 110.287,55.245 112.039,53.493 RA1.8@112.039,49.555 ; v1@109.29,55.086 ccw(c108.905,54.702) 108.905,55.245 ccw(c108.905,55.788) v1@109.29,55.404 ; v1@109.608,55.086 cw(c109.992,54.702) 109.992,55.245 cw(c109.992,55.788) v1@109.608,55.404 ; RA1.8@111.915,49.679 ccw(c111.617,49.978) 112.039,49.978 ccw(c112.462,49.978) RA1.8@112.163,49.679 ; 109.132,55.184 ccw(c109.094,55.044) 108.974,55.126 cw(c109.094,55.044) 109.132,55.184 ; 109.132,55.184 cw(c109.181,55.367) 109.001,55.309 ccw(c109.181,55.367) 109.132,55.184 ; 109.132,55.306 ccw(c109.181,55.123) 109.001,55.181 cw(c109.181,55.123) 109.132,55.306 ; 109.132,55.306 cw(c109.094,55.446) 108.974,55.364 ccw(c109.094,55.446) 109.132,55.306 ; v1@109.308,55.245 ccw(c109.308,54.738) 108.949,55.097 cw(c109.308,54.738) v1@109.308,55.245 ; v1@109.308,55.245 cw(c109.308,55.752) 108.949,55.393 ccw(c109.308,55.752) v1@109.308,55.245
  Mid-Layer 2 w0.15: v1(64,22.335) 64.802,22.335 66.66,24.193 66.66,30.135 69.173,32.648 69.173,39.76 72.593,43.18 72.593,46.743 73.848,47.998 82.128,47.998 83.25,49.119 83.25,55.208 85.342,57.3 106.632,57.3 108.687,55.245 v1(109.449,55.245) ; v1@64.159,22.176 cw(c64.543,21.792) 64.543,22.335 cw(c64.543,22.878) v1@64.159,22.494 ; v1@109.29,55.086 ccw(c108.905,54.702) 108.905,55.245 ccw(c108.905,55.788) v1@109.29,55.404
  Mid-Layer 1 w0.15: X27.13@3.9,23.04 6.653,23.04 7.418,22.275 13.275,22.275 13.884,21.666 21.666,21.666 22.225,22.225 25.047,22.225 25.891,23.069 30.74,23.069 31.638,23.968 52.639,23.968 53.315,23.292 62.078,23.292 63.034,22.335 v1(64,22.335) ; X27.13@4.218,22.722 cw(c4.986,21.954) 4.986,23.04 cw(c4.986,24.126) X27.13@4.218,23.358 ; X27.13@4.324,22.616 cw(c5.349,21.591) 5.349,23.04 cw(c5.349,24.489) X27.13@4.324,23.464 ; X27.13@4.43,22.51 cw(c5.711,21.229) 5.711,23.04 cw(c5.711,24.851) X27.13@4.43,23.57 ; v1@63.841,22.176 ccw(c63.457,21.792) 63.457,22.335 ccw(c63.457,22.878) v1@63.841,22.494
GPIO2: R151.2 RA1.7 X27.14 | length 163.7
  Top Layer w0.15: R151.2@107.887,55.245 107.887,54.673 108.026,54.534 ; v1@108.289,54.401 ccw(c108.026,54.207) 108.026,54.534 ; v1@108.289,54.667 cw(c108.026,54.861) 108.026,54.534 ; v1@108.63,54.375 cw(c109.014,53.991) 109.014,54.534 cw(c109.014,55.077) v1@108.63,54.693 ; RA1.7@111.115,49.679 ccw(c110.817,49.978) 111.239,49.978 ccw(c111.662,49.978) RA1.7@111.363,49.679 ; RA1.7@111.239,49.555 111.239,53.378 110.084,54.534 v1(108.471,54.534) 108.026,54.534 ; 107.887,54.738 ccw(c107.38,54.738) 107.738,55.097 cw(c107.38,54.738) 107.887,54.738 ; 107.887,54.738 cw(c108.394,54.738) 108.035,55.097 ccw(c108.394,54.738) 107.887,54.738
  Mid-Layer 2 w0.15: v1(66.41,23.203) 66.91,23.703 66.91,26.346 67.107,26.543 69.139,26.543 69.742,27.146 69.742,39.091 73.165,42.513 73.165,46.139 74.354,47.329 82.355,47.329 83.625,48.598 83.625,54.983 85.645,57.003 106.001,57.003 v1(108.471,54.534) ; v1@66.41,23.428 ccw(c66.41,23.972) 66.794,23.587 ccw(c67.178,23.203) v1@66.635,23.203 ; v1@108.246,54.534 ccw(c107.703,54.534) 108.087,54.918 ccw(c108.471,55.302) v1@108.471,54.759
  Mid-Layer 1 w0.15: X27.14@1.36,23.04 2.695,24.375 11.09,24.375 12.903,26.187 21.895,26.187 22.276,25.806 29.667,25.806 31.109,24.364 45.675,24.364 48.561,27.25 62.905,27.25 64.186,25.97 64.186,24.562 65.544,23.203 v1(66.41,23.203) ; X27.14@1.36,23.49 ccw(c1.36,24.576) 2.128,23.808 ccw(c2.896,23.04) X27.14@1.81,23.04 ; X27.14@1.36,23.64 ccw(c1.36,25.089) 2.384,24.064 ccw(c3.409,23.04) X27.14@1.96,23.04 ; X27.14@1.36,23.79 ccw(c1.36,25.601) 2.64,24.32 ccw(c3.921,23.04) X27.14@2.11,23.04 ; v1@66.251,23.044 ccw(c65.867,22.66) 65.867,23.203 ccw(c65.867,23.747) v1@66.251,23.362
GPIO3: R152.2 RA1.6 X27.15 | length 162.8
  Top Layer w0.15: 106.998,54.8 ccw(c107.359,54.8) v1@107.223,54.464 ; R152.2@106.998,55.022 ccw(c107.45,55.022) v1@107.28,54.603 ; v1@107.039,54.608 ccw(c106.874,54.665) 106.998,54.788 ; v1@107.178,54.746 cw(c107.121,54.911) 106.998,54.788 ; v1@107.252,54.309 cw(c107.252,53.766) 107.636,54.15 cw(c108.02,54.534) v1@107.477,54.534 ; v1@107.336,54.742 cw(c107.54,55.245) R152.2@106.998,55.245 106.998,54.788 ; RA1.6@110.315,49.679 ccw(c110.017,49.978) 110.439,49.978 ccw(c110.862,49.978) RA1.6@110.563,49.679 ; RA1.6@110.439,49.555 110.439,53.188 109.576,54.051 107.734,54.051 v1(107.252,54.534) 106.998,54.788 ; 106.998,54.788 ccw(c106.605,54.788) 106.861,55.086 cw(c106.605,54.788) 106.998,54.788 ; 106.998,54.788 cw(c107.39,54.788) 107.134,55.086 ccw(c107.39,54.788) 106.998,54.788 ; 107.021,54.933 ccw(c106.821,54.879) 106.921,55.061 cw(c106.821,54.879) 107.021,54.933 ; 107.022,54.933 cw(c107.11,54.957) 107.083,55.044 ccw(c107.11,54.957) 107.022,54.933
  Mid-Layer 2 w0.15: v1@67.239,22.236 ccw(c66.855,22.62) 67.398,22.62 ccw(c67.941,22.62) v1@67.557,22.236 ; v1(67.398,22.077) 67.398,23.373 67.975,23.95 68.647,23.95 69.418,24.721 69.418,25.298 70.312,26.192 70.312,38.422 73.736,41.846 73.736,45.644 74.752,46.66 82.652,46.66 84,48.008 84,53.6 87.106,56.706 105.079,56.706 v1(107.252,54.534) ; v1@107.027,54.534 ccw(c106.483,54.534) 106.867,54.918 ccw(c107.252,55.302) v1@107.252,54.759
  Mid-Layer 1 w0.15: X27.15@3.9,25.58 11.077,25.58 12.7,27.203 29.341,27.203 31.783,24.761 44.344,24.761 47.583,28 64.648,28 66.474,26.174 66.474,23.896 66.917,23.453 66.917,22.558 v1(67.398,22.077) ; X27.15@4.218,25.262 cw(c4.986,24.494) 4.986,25.58 cw(c4.986,26.666) X27.15@4.218,25.898 ; X27.15@4.324,25.156 cw(c5.349,24.131) 5.349,25.58 cw(c5.349,27.029) X27.15@4.324,26.004 ; X27.15@4.43,25.05 cw(c5.711,23.769) 5.711,25.58 cw(c5.711,27.391) X27.15@4.43,26.11 ; v1@67.173,22.077 ccw(c66.63,22.077) 67.014,22.461 ccw(c67.398,22.845) v1@67.398,22.302